# KiCad board rp2040-decoder.kicad_pcb (continued)
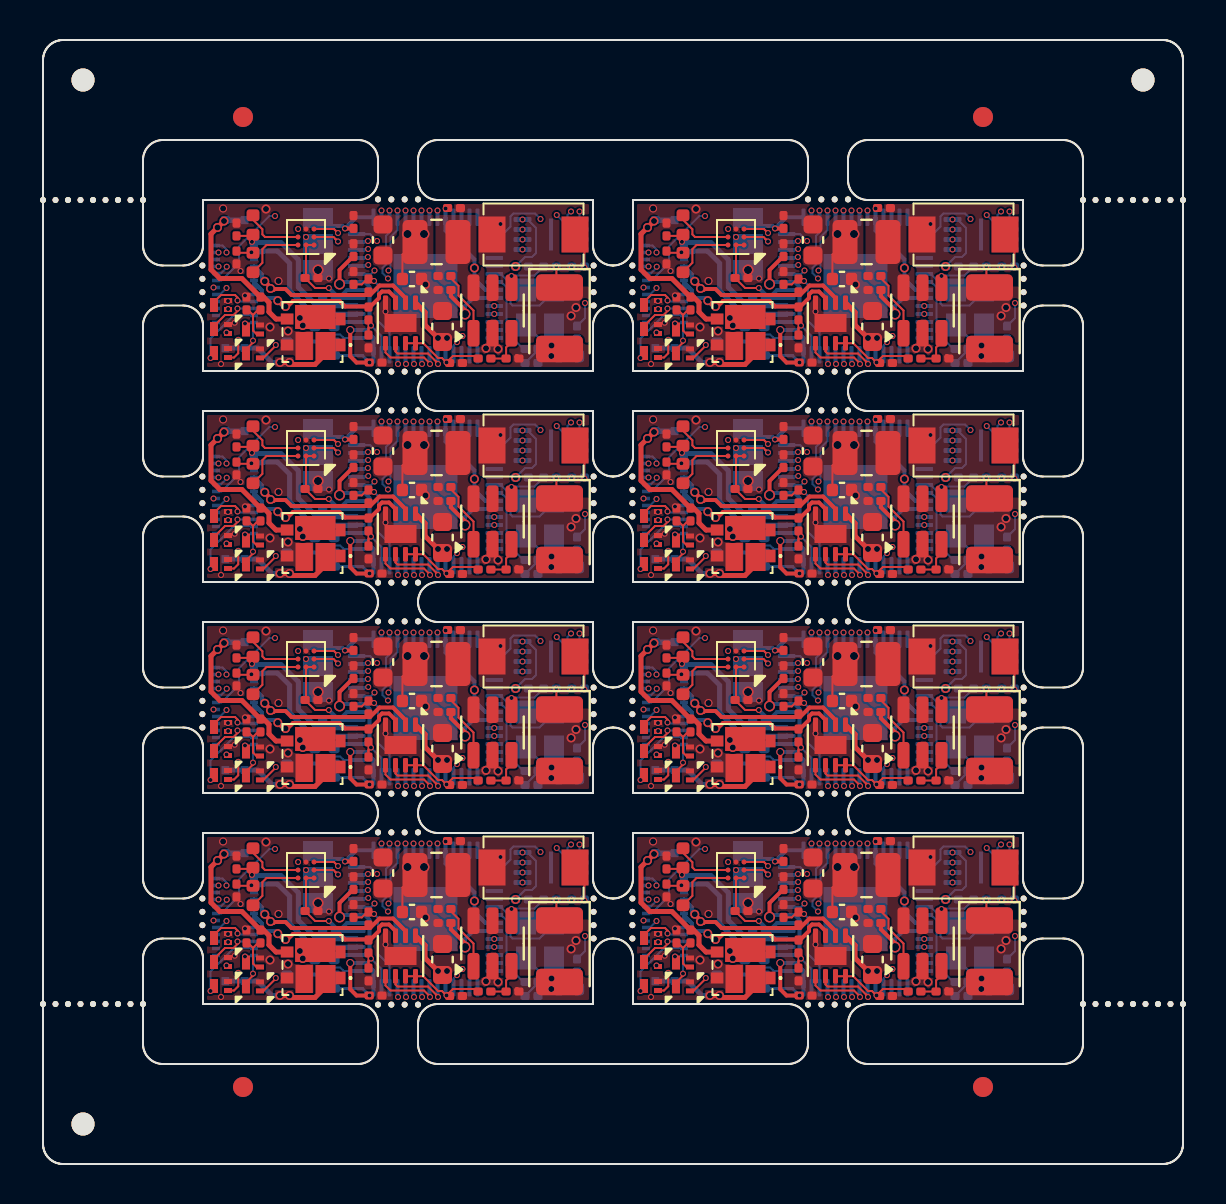
[diagram p0: board, top side]
## Routing (per net, layer and track width the routed paths; a pad name or vN(x,y) marks a point on that pad's centre or on a via; arc(x,y) is an arc through that point) (continued)
Board_7-Net-(C3-Pad1): length 2.4
  Bottom w0.1: Y1#5.1 46.25,9.7 R6#5.2 46.25,9.04 45.6,8.4
Board_7-Net-(D2-A): length 0.9
  Bottom w0.1: D2#7.2 48.2,8.81 R9#5.1
Board_7-Net-(JP1-C): length 0.7
  Bottom w0.1: JP1#8.2 34.9,14.7 v3(34.65,14.7)
Board_7-Net-(Q1-G): length 2.1
  Top w0.1: R1#7.1 32.25,11.06 32,10.81 ; R2#4.2 31.75,11.06 32,10.81 ; Q1#2.1 32.18,9.85 32,10.03 32,10.81
Board_7-Net-(R4-Pad2): length 1.8
  Top w0.1: SW1#4.2 48.57,14.36 v3(48.57,13.18)
Board_7-Net-(U1-CLK): length 9.7
  In2.Cu w0.1: v3(37.76,13.3) 37.77,13.3 38.02,13.55 41.42,13.55 41.74,13.88 45.25,13.88 45.35,13.78 45.65,13.78 45.78,13.9 45.78,14.28 v3(45.47,14.58)
  Bottom w0.1: U3.52 37.71,13.25 v3(37.76,13.3)
Board_7-Net-(U1-DI(IO0)): length 8.5
  In2.Cu w0.1: v3(45.47,14.08) 41.66,14.08 41.33,13.75 37.8,13.75 v3(37.75,13.7)
  Bottom w0.1: U3.53 37.7,13.65 v3(37.75,13.7)
Board_7-Net-(U1-DO(IO1)): length 13.2
  In2.Cu w0.1: v3(37.75,14.5) 37.78,14.5 38.13,14.15 41.17,14.15 43.12,16.1 47.78,16.1 v3(47.9,15.97)
  Bottom w0.1: 48.32,15.08 47.95,15.08 47.72,15.3 47.72,15.8 v3(47.9,15.97) ; U3.55 37.55,14.45 37.6,14.5 v3(37.75,14.5)
Board_7-Net-(U1-IO2): length 12.8
  In2.Cu w0.1: v3(37.75,14.1) 37.9,14.1 38.05,13.95 41.25,13.95 43.2,15.9 47.09,15.9 v3(47.19,15.8)
  Bottom w0.1: 48.32,14.58 48.02,14.58 47.5,15.1 47.5,15.49 v3(47.19,15.8) ; U3.54 37.51,14.05 37.56,14.1 v3(37.75,14.1)
Board_7-Net-(U1-IO3): length 10.8
  In2.Cu w0.1: 45.47,15.1 45.97,14.6 45.97,13.8 45.75,13.58 45.27,13.58 45.19,13.65 41.8,13.65 41.5,13.35 38.4,13.35 v3(38.07,13.03)
  Bottom w0.1: v3(38.07,13.03) 37.9,12.85 U3.51
  vias: v3(45.47,15.08)
Board_7-Net-(U1-~{CS}): length 15.6
  In2.Cu w0.1: v3(38.2,14.5) 38.2,14.46 38.32,14.35 41.06,14.35 43.01,16.3 48,16.3 v3(48.32,15.98) 47.93,15.58 47.93,13.23 v3(47.93,13.23)
  Bottom w0.1: v3(48.32,15.98) 48.32,15.58 ; v3(38.2,14.5) 37.85,14.85 U3.56
Board_7-Net-(U2-BS): length 3.3
  Top w0.1: 41.9,12.75 41.9,12.64 42.28,12.26 42.28,11.77 43.03,11.02 U2#8.1
Board_7-Net-(U2-EN): length 2.4
  Top w0.1: v3(44.93,12.75) U2#8.4
  Bottom w0.1: R5#2.2 46.08,12.78 44.95,12.78 v3(44.93,12.75)
Board_7-Net-(U2-FB): length 2.1
  Top w0.1: 43.9,8.62 R7#8.2 44.66,9.18 44.93,9.45 U2#8.3
Board_7-Net-(U3-ADC_AVDD): length 2.8
  Bottom w0.1: U3.43 36.53,9.65 36.5,9.67 36.5,9.68 36.36,9.83 35.83,9.83 R10#6.2
  Bottom w0.2: 34.62,9.41 34.69,9.48 R10#6.2
Board_7-Net-(U3-GPIO12): length 9.6
  In2.Cu w0.1: v3(48.6,11.4) 48.6,11.47 47.63,12.45 47.63,14.35 v3(46.38,15.6)
  Bottom w0.1: R9#5.2 48.6,10.65 v3(48.6,11.4) ; U3.15 44.5,14.85 44.88,15.23 44.88,15.73 45.02,15.88 46.1,15.88 v3(46.38,15.6)
Board_7-Net-(U3-XIN): length 5.9
  Bottom w0.1: U3.20 44.38,12.85 44.88,12.36 44.88,11.38 44.97,11.28 46.32,11.28 47.05,12 Y1#5.3 47.75,12.05 48.2,12.5
Board_7-Net-(U3-XOUT): length 4.2
  Bottom w0.1: 45.6,9.1 45.53,9.1 44.68,9.95 44.68,12.18 44.41,12.45 U3.21
Board_7-Net-(U5-OUTN): length 3
  Top w0.1: U5#3.B3 32.6,14.7 32.47,14.83 32.47,15.09 32,15.56 FB2#5.2
Board_7-Net-(U5-OUTP): length 3.2
  Top w0.1: FB1#7.2 32.47,13.41 32.47,14.1 32.68,14.3 U5#3.A3
Board_7-VDC: length 8.7
  Top w0.1: v3(47.17,13.23) 47.17,12.33 C4#3.1
  Top w0.25: U4#8.1 40.6,10.94 40.6,10.3 v4(41.25,9.65) v4(41.7,9.65)
  In2.Cu w0.2: v3(30.68,12.15) 32,12.15 33.5,10.65 v4(34.35,10.65)
  Bottom w0.1: v3(30.68,12.15) 30.35,11.83 J4#4.17
  vias: v4(34.49,10.28) v4(47.91,10.75) v4(48.15,11.17)

## Copper pours and planes (outline as drawn; the poured copper is in the pictures)
Board_0-+3.3V on Top: 19.62,44.73 16.68,44.73 16.47,44.93 16.47,45.7 16.72,45.95 17.32,45.95 17.8,46.43 17.8,47.12 18.12,47.45 19.62,47.45
Board_0-+3.3V on In2.Cu: 8,48.2 27.5,48.2 27.5,39.65 8,39.65
Board_0-+3.3V on In2.Cu: 8,48.2 27.5,48.2 27.5,39.65 8,39.65
Board_0-/SWITCH on Top: 21.12,42.35 20.62,42.85 20.62,43.5 20.32,43.8 20.12,43.8 19.62,44.3 19.62,47.45 21.67,47.45 21.67,45.21 22.07,44.73 22.07,42.35
Board_0-GND on Top, Bottom, In1.Cu: 8,48.2 27.5,48.2 27.5,39.65 8,39.65
Board_0-VDC on Top: 21.9,42.18 19.55,42.18 19.55,41.06 27.5,41.07 27.5,43.88 21.9,43.88
Board_0-VDC on In2.Cu: 12.6,43.25 26.37,43.25 26.13,43.03 27.07,43.03 27.07,41.03 12.6,41.03
Board_1-+3.3V on Top: 41.12,44.73 38.18,44.73 37.97,44.93 37.97,45.7 38.22,45.95 38.82,45.95 39.3,46.43 39.3,47.12 39.62,47.45 41.12,47.45
Board_1-+3.3V on In2.Cu: 29.5,48.2 49,48.2 49,39.65 29.5,39.65
Board_1-+3.3V on In2.Cu: 29.5,48.2 49,48.2 49,39.65 29.5,39.65
Board_1-/SWITCH on Top: 42.62,42.35 42.12,42.85 42.12,43.5 41.82,43.8 41.62,43.8 41.12,44.3 41.12,47.45 43.17,47.45 43.17,45.21 43.57,44.73 43.57,42.35
Board_1-GND on Top, Bottom, In1.Cu: 29.5,48.2 49,48.2 49,39.65 29.5,39.65
Board_1-VDC on Top: 43.4,42.18 41.05,42.18 41.05,41.06 49,41.07 49,43.88 43.4,43.88
Board_1-VDC on In2.Cu: 34.1,43.25 47.87,43.25 47.63,43.03 48.57,43.03 48.57,41.03 34.1,41.03
Board_2-+3.3V on Top: 19.62,34.18 16.68,34.18 16.47,34.38 16.47,35.15 16.72,35.4 17.32,35.4 17.8,35.88 17.8,36.58 18.12,36.9 19.62,36.9
Board_2-+3.3V on In2.Cu: 8,37.65 27.5,37.65 27.5,29.1 8,29.1
Board_2-+3.3V on In2.Cu: 8,37.65 27.5,37.65 27.5,29.1 8,29.1
Board_2-/SWITCH on Top: 21.12,31.8 20.62,32.3 20.62,32.95 20.32,33.25 20.12,33.25 19.62,33.75 19.62,36.9 21.67,36.9 21.67,34.66 22.07,34.18 22.07,31.8
Board_2-GND on Top, Bottom, In1.Cu: 8,37.65 27.5,37.65 27.5,29.1 8,29.1
Board_2-VDC on Top: 21.9,31.62 19.55,31.62 19.55,30.51 27.5,30.52 27.5,33.33 21.9,33.33
Board_2-VDC on In2.Cu: 12.6,32.7 26.37,32.7 26.13,32.48 27.07,32.48 27.07,30.48 12.6,30.48
Board_3-+3.3V on Top: 41.12,34.18 38.18,34.18 37.97,34.38 37.97,35.15 38.22,35.4 38.82,35.4 39.3,35.88 39.3,36.58 39.62,36.9 41.12,36.9
Board_3-+3.3V on In2.Cu: 29.5,37.65 49,37.65 49,29.1 29.5,29.1
Board_3-+3.3V on In2.Cu: 29.5,37.65 49,37.65 49,29.1 29.5,29.1
Board_3-/SWITCH on Top: 42.62,31.8 42.12,32.3 42.12,32.95 41.82,33.25 41.62,33.25 41.12,33.75 41.12,36.9 43.17,36.9 43.17,34.66 43.57,34.18 43.57,31.8
Board_3-GND on Top, Bottom, In1.Cu: 29.5,37.65 49,37.65 49,29.1 29.5,29.1
Board_3-VDC on Top: 43.4,31.62 41.05,31.62 41.05,30.51 49,30.52 49,33.33 43.4,33.33
Board_3-VDC on In2.Cu: 34.1,32.7 47.87,32.7 47.63,32.48 48.57,32.48 48.57,30.48 34.1,30.48
Board_4-+3.3V on Top: 19.62,23.62 16.68,23.62 16.47,23.83 16.47,24.6 16.72,24.85 17.32,24.85 17.8,25.33 17.8,26.03 18.12,26.35 19.62,26.35
Board_4-+3.3V on In2.Cu: 8,27.1 27.5,27.1 27.5,18.55 8,18.55
Board_4-+3.3V on In2.Cu: 8,27.1 27.5,27.1 27.5,18.55 8,18.55
Board_4-/SWITCH on Top: 21.12,21.25 20.62,21.75 20.62,22.4 20.32,22.7 20.12,22.7 19.62,23.2 19.62,26.35 21.67,26.35 21.67,24.11 22.07,23.63 22.07,21.25
Board_4-GND on Top, Bottom, In1.Cu: 8,27.1 27.5,27.1 27.5,18.55 8,18.55
Board_4-VDC on Top: 21.9,21.08 19.55,21.08 19.55,19.96 27.5,19.97 27.5,22.78 21.9,22.78
Board_4-VDC on In2.Cu: 12.6,22.15 26.37,22.15 26.13,21.93 27.07,21.93 27.07,19.93 12.6,19.93
Board_5-+3.3V on Top: 41.12,23.62 38.18,23.62 37.97,23.83 37.97,24.6 38.22,24.85 38.82,24.85 39.3,25.33 39.3,26.03 39.62,26.35 41.12,26.35
Board_5-+3.3V on In2.Cu: 29.5,27.1 49,27.1 49,18.55 29.5,18.55
Board_5-+3.3V on In2.Cu: 29.5,27.1 49,27.1 49,18.55 29.5,18.55
Board_5-/SWITCH on Top: 42.62,21.25 42.12,21.75 42.12,22.4 41.82,22.7 41.62,22.7 41.12,23.2 41.12,26.35 43.17,26.35 43.17,24.11 43.57,23.63 43.57,21.25
Board_5-GND on Top, Bottom, In1.Cu: 29.5,27.1 49,27.1 49,18.55 29.5,18.55
Board_5-VDC on Top: 43.4,21.08 41.05,21.08 41.05,19.96 49,19.97 49,22.78 43.4,22.78
Board_5-VDC on In2.Cu: 34.1,22.15 47.87,22.15 47.63,21.93 48.57,21.93 48.57,19.93 34.1,19.93
Board_6-+3.3V on Top: 19.62,13.08 16.68,13.08 16.47,13.28 16.47,14.05 16.72,14.3 17.32,14.3 17.8,14.78 17.8,15.48 18.12,15.8 19.62,15.8
Board_6-+3.3V on In2.Cu: 8,16.55 27.5,16.55 27.5,8 8,8
Board_6-+3.3V on In2.Cu: 8,16.55 27.5,16.55 27.5,8 8,8
Board_6-/SWITCH on Top: 21.12,10.7 20.62,11.2 20.62,11.85 20.32,12.15 20.12,12.15 19.62,12.65 19.62,15.8 21.67,15.8 21.67,13.56 22.07,13.08 22.07,10.7
Board_6-GND on Top, Bottom, In1.Cu: 8,16.55 27.5,16.55 27.5,8 8,8
Board_6-VDC on Top: 21.9,10.53 19.55,10.53 19.55,9.41 27.5,9.42 27.5,12.23 21.9,12.23
Board_6-VDC on In2.Cu: 12.6,11.6 26.37,11.6 26.13,11.38 27.07,11.38 27.07,9.38 12.6,9.38
Board_7-+3.3V on Top: 41.12,13.08 38.18,13.08 37.97,13.28 37.97,14.05 38.22,14.3 38.82,14.3 39.3,14.78 39.3,15.48 39.62,15.8 41.12,15.8
Board_7-+3.3V on In2.Cu: 29.5,16.55 49,16.55 49,8 29.5,8
Board_7-+3.3V on In2.Cu: 29.5,16.55 49,16.55 49,8 29.5,8
Board_7-/SWITCH on Top: 42.62,10.7 42.12,11.2 42.12,11.85 41.82,12.15 41.62,12.15 41.12,12.65 41.12,15.8 43.17,15.8 43.17,13.56 43.57,13.08 43.57,10.7
Board_7-GND on Top, Bottom, In1.Cu: 29.5,16.55 49,16.55 49,8 29.5,8
Board_7-VDC on Top: 43.4,10.53 41.05,10.53 41.05,9.41 49,9.42 49,12.23 43.4,12.23
Board_7-VDC on In2.Cu: 34.1,11.6 47.87,11.6 47.63,11.38 48.57,11.38 48.57,9.38 34.1,9.38

Small or netless copper shapes (teardrops, artwork), in the pictures only: 8 on Top, 8 on Bottom
